# KiCad board Turkey-Corne-Kit.kicad_pcb
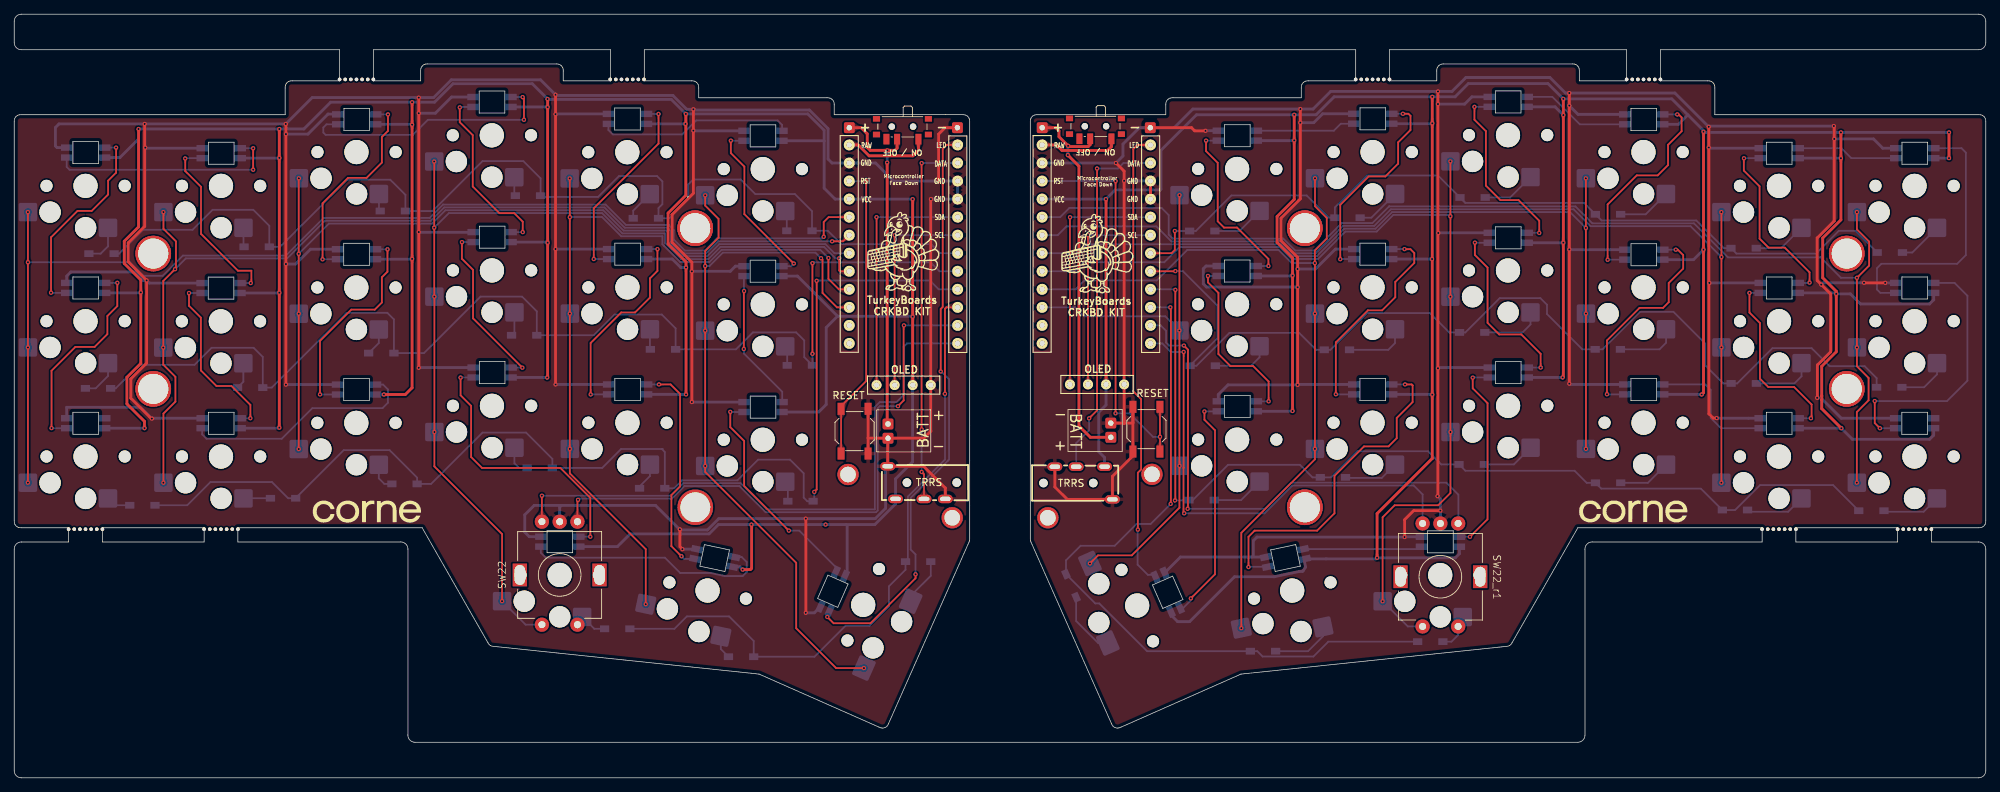
[diagram p0: board, top side]
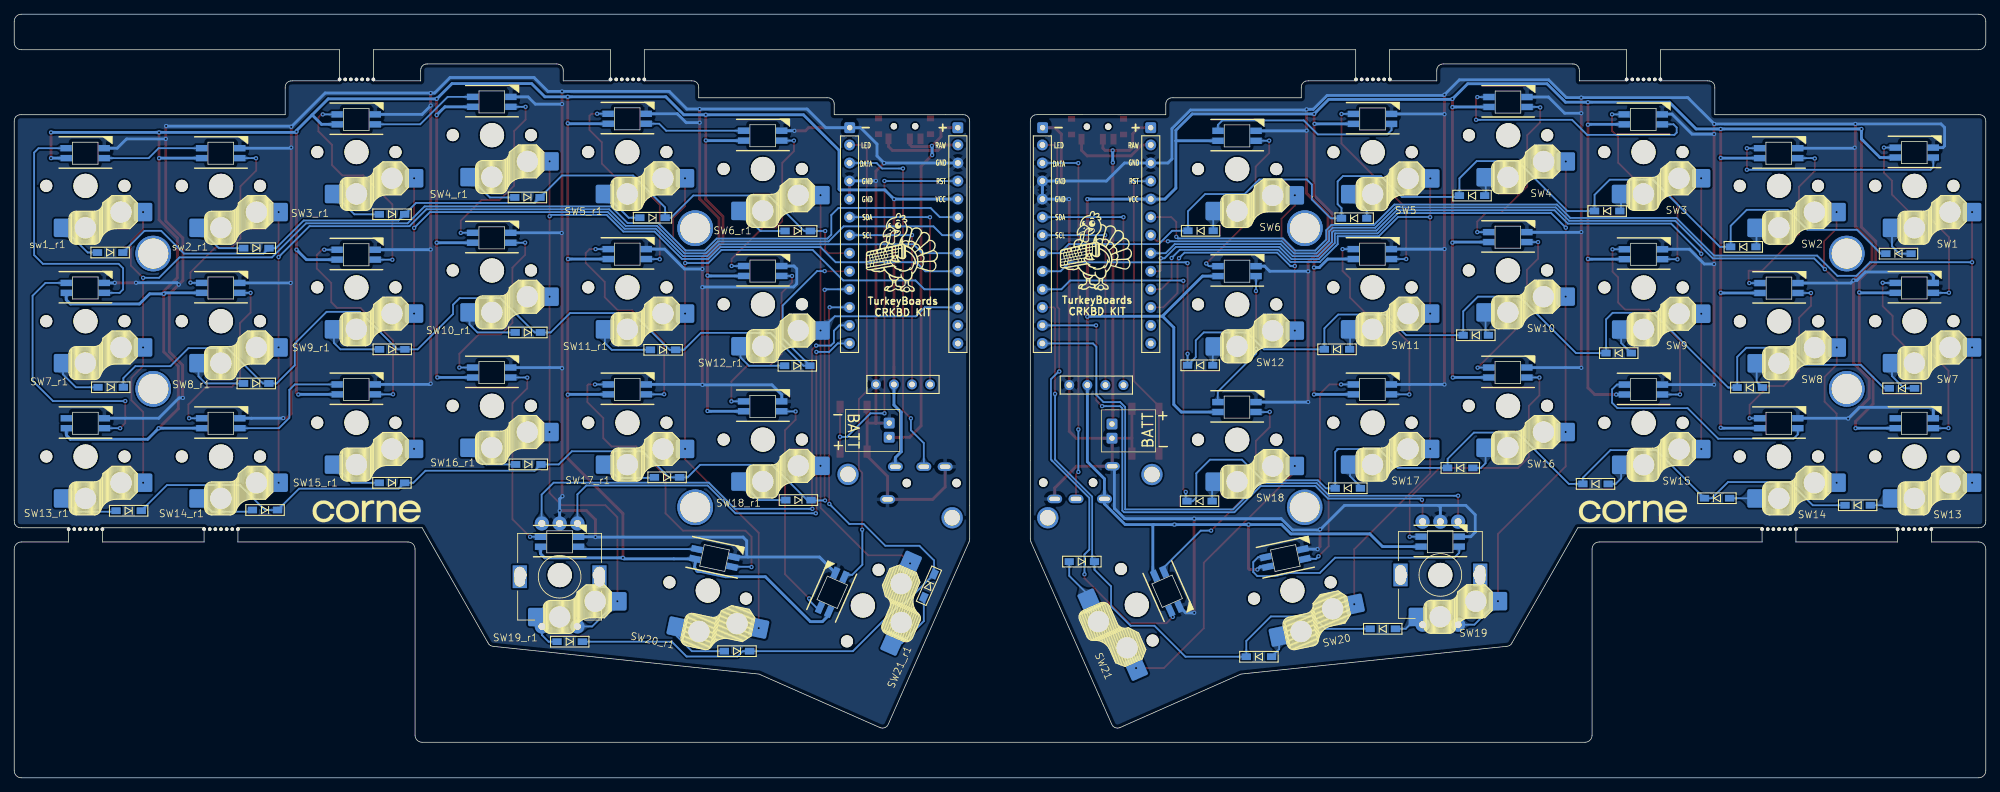
[diagram p1: board, bottom side, seen from below]

Outline 277.23 x 107.49 mm; copper layers: Top, Bottom. Coordinates in mm from the lower left corner of the outline.
Outline path: 0,92.35 0,36.2 ; 1,35.2 7.65,35.2 7.65,33.2 1,33.2 arc(0.29,32.91) 0,32.2 0,1 arc(0.29,0.29) 1,0 276.23,0 arc(276.93,0.29) 277.23,1 277.23,32.2 arc(276.93,32.91) 276.23,33.2 269.58,33.2 269.58,35.2 276.23,35.2 ; 38.1,97.11 38.1,93.35 1,93.35 ; 39.1,98.11 45.75,98.11 45.75,102.49 1,102.49 arc(0.29,102.79) 0,103.49 0,106.49 arc(0.29,107.2) 1,107.49 276.23,107.49 arc(276.93,107.2) 277.23,106.49 277.23,103.49 arc(276.93,102.79) 276.23,102.49 231.48,102.49 231.48,98.11 ; 57.15,99.49 57.15,98.11 50.5,98.11 50.5,102.49 83.85,102.49 83.85,98.11 77.2,98.11 77.2,99.49 ; 66.61,19 57.36,35.2 31.45,35.2 31.45,33.2 54.36,33.2 arc(55.07,32.91) 55.36,32.2 55.36,6 arc(55.65,5.29) 56.36,5 219.87,5 arc(220.57,5.29) 220.87,6 220.87,32.2 arc(221.16,32.91) 221.87,33.2 245.78,33.2 245.78,35.2 219.87,35.2 210.61,19 ; 67.38,18.51 104.73,14.6 121.62,7.12 ; 76.2,100.49 58.15,100.49 ; 95.25,98.11 88.6,98.11 88.6,102.49 188.63,102.49 188.63,98.11 181.98,98.11 ; 96.25,97.11 96.25,95.73 114.3,95.73 ; 115.3,94.73 115.3,93.35 121.71,93.35 130.95,93.35 133.35,93.35 ; 122.94,7.63 134.26,33.21 ; 134.35,92.35 134.35,33.61 ; 142.88,92.35 142.88,33.61 ; 143.88,93.35 161.93,93.35 161.93,94.73 ; 154.28,7.63 142.96,33.21 ; 162.93,95.73 180.98,95.73 180.98,97.11 ; 155.6,7.12 172.49,14.6 209.85,18.51 ; 193.38,98.11 193.38,102.49 226.73,102.49 226.73,98.11 220.08,98.11 220.08,99.49 ; 193.38,98.11 200.03,98.11 200.03,99.49 ; 201.03,100.49 219.08,100.49 ; 231.48,98.11 238.13,98.11 ; 239.13,97.11 239.13,93.35 276.23,93.35 ; 277.23,92.35 277.23,36.2 ; 12.4,35.2 12.4,33.2 26.7,33.2 26.7,35.2 12.4,35.2 ; 250.53,35.2 250.53,33.2 264.83,33.2 264.83,35.2 250.53,35.2
Stack: Top 0.035mm / dielectric 1.51mm FR4 er 4.5 / Bottom 0.035mm

## Placement (name value [footprint] x y rotation side)
BT1  Breakaway Tabs  [Breakaway_Tabs]  48.13 98.31 0 top
BT2  Breakaway Tabs  [Breakaway_Tabs]  86.18 98.31 0 top
BT3  Breakaway Tabs  [Breakaway_Tabs]  10.03 35 0 top
BT4  Breakaway Tabs  [Breakaway_Tabs]  29.08 35 0 top
D1  ~  [Diode]  12.33 73.78 180 top
D1_r1  ~  [Diode]  263.69 73.94 0 top
D2  ~  [Diode]  34.15 74.74 180 top
D2_r1  ~  [Diode]  243.13 74.55 0 top
D3  ~  [Diode]  53.29 79.78 180 top
D3_r1  ~  [Diode]  224.06 79.32 0 top
D4  ~  [Diode]  72.29 81.95 180 top
D4_r1  ~  [Diode]  205.02 81.69 0 top
D5  ~  [Diode]  88.87 78.76 180 top
D5_r1  ~  [Diode]  187.43 78.84 0 top
D6  ~  [Diode]  110.46 77 180 top
D6_r1  ~  [Diode]  167.01 76.97 0 top
D7  ~  [Diode]  11.84 54.82 180 top
D7_r1  ~  [Diode]  263.61 54.97 0 top
D8  ~  [Diode]  33.23 54.93 180 top
D8_r1  ~  [Diode]  243.15 55.51 0 top
D9  ~  [Diode]  51.67 59.78 180 top
D9_r1  ~  [Diode]  224.03 60.31 0 top
D10  ~  [Diode]  71.76 62.29 180 top
D10_r1  ~  [Diode]  204.96 62.69 0 top
D11  ~  [Diode]  91.28 60.31 180 top
D11_r1  ~  [Diode]  185.94 60.24 0 top
D12  ~  [Diode]  110.52 58.06 180 top
D12_r1  ~  [Diode]  167.07 58 0 top
D13  ~  [Diode]  18.07 38.36 180 top
D13_r1  ~  [Diode]  261.09 37.59 0 top
D14  ~  [Diode]  37.86 39.35 180 top
D14_r1  ~  [Diode]  241.91 37.69 0 top
D15  ~  [Diode]  54.93 41.37 180 top
D15_r1  ~  [Diode]  224.07 41.52 0 top
D16  ~  [Diode]  73.95 43.62 180 top
D16_r1  ~  [Diode]  204.89 44.11 0 top
D17  ~  [Diode]  89.76 40.75 180 top
D17_r1  ~  [Diode]  185.38 42.29 0 top
D18  ~  [Diode]  110.61 38.93 180 top
D18_r1  ~  [Diode]  166.91 39.09 0 top
D19  ~  [Diode]  84.84 20.97 180 top
D19_r1  ~  [Diode]  199.07 19.16 0 top
D20  ~  [Diode]  102.26 17.04 180 top
D20_r1  ~  [Diode]  175.55 17.82 0 top
D21  ~  [Diode]  127.06 30.43 0 top
D21_r1  ~  [Diode]  148.59 27.08 293.8 top
J1  ~  [TRRS]  128.58 41.55 0 top
J1_r1  ~  [TRRS]  148.67 41.49 180 top
J2  ~  [OLED]  125.07 55.25 0 top
J3  ~  [JST-PH_2mm]  125.35 48.8 0 top
J3_r1  ~  [OLED]  152.26 55.34 0 top
J4  ~  [JST-PH_2mm]  151.72 48.93 180 top
L1  ~  [LED SK6812-MiniE]  10.03 88.02 0 top
L1_r1  ~  [LED SK6812-MiniE]  267.22 87.94 0 top
L2  ~  [LED SK6812-MiniE]  29.09 87.94 0 top
L2_r1  ~  [LED SK6812-MiniE]  248.16 87.94 0 top
L3  ~  [LED SK6812-MiniE]  48.14 92.7 0 top
L3_r1  ~  [LED SK6812-MiniE]  229.11 92.7 0 top
L4  ~  [LED SK6812-MiniE]  67.16 95.14 0 top
L4_r1  ~  [LED SK6812-MiniE]  210.05 95.16 0 top
L5  ~  [LED SK6812-MiniE]  86.21 92.76 0 top
L5_r1  ~  [LED SK6812-MiniE]  191.01 92.78 0 top
L6  ~  [LED SK6812-MiniE]  105.26 90.38 0 top
L6_r1  ~  [LED SK6812-MiniE]  171.96 90.4 0 top
L7  ~  [LED SK6812-MiniE]  10.03 68.97 0 top
L7_r1  ~  [LED SK6812-MiniE]  267.21 68.97 0 top
L8  ~  [LED SK6812-MiniE]  29.06 68.95 0 top
L8_r1  ~  [LED SK6812-MiniE]  248.16 68.97 0 top
L9  ~  [LED SK6812-MiniE]  48.11 73.71 0 top
L9_r1  ~  [LED SK6812-MiniE]  229.12 73.65 0 top
L10  ~  [LED SK6812-MiniE]  67.18 76.12 0 top
L10_r1  ~  [LED SK6812-MiniE]  210.06 76.03 0 top
L11  ~  [LED SK6812-MiniE]  86.23 73.73 0 top
L11_r1  ~  [LED SK6812-MiniE]  191 73.73 0 top
L12  ~  [LED SK6812-MiniE]  105.26 71.33 0 top
L12_r1  ~  [LED SK6812-MiniE]  171.95 71.35 0 top
L13  ~  [LED SK6812-MiniE]  10.03 49.92 0 top
L13_r1  ~  [LED SK6812-MiniE]  267.2 49.92 0 top
L14  ~  [LED SK6812-MiniE]  29.08 49.92 0 top
L14_r1  ~  [LED SK6812-MiniE]  248.15 49.92 0 top
L15  ~  [LED SK6812-MiniE]  48.11 54.66 0 top
L15_r1  ~  [LED SK6812-MiniE]  229.11 54.68 0 top
L16  ~  [LED SK6812-MiniE]  67.18 57.06 0 top
L16_r1  ~  [LED SK6812-MiniE]  210.06 57.06 0 top
L17  ~  [LED SK6812-MiniE]  86.23 54.68 0 top
L17_r1  ~  [LED SK6812-MiniE]  191 54.68 0 top
L18  ~  [LED SK6812-MiniE]  105.27 52.2 0 top
L18_r1  ~  [LED SK6812-MiniE]  171.96 52.3 0 top
L19  ~  [LED SK6812-MiniE]  76.7 33.25 0 top
L19_r1  ~  [LED SK6812-MiniE]  200.52 33.23 0 top
L20  ~  [LED SK6812-MiniE]  98.47 30.96 348 top
L20_r1  ~  [LED SK6812-MiniE]  178.72 30.95 12 top
L21  ~  [LED SK6812-MiniE]  115.08 26.24 66.2 top
L21_r1  ~  [LED SK6812-MiniE]  162.2 26.15 293.8 top
NOREF  -  [unnamed]  181.48 38.08 0 top
NOREF#2  -  [unnamed]  257.68 73.8 0 top
NOREF#3  -  [unnamed]  95.75 77.37 0 top
NOREF#4  -  [unnamed]  257.68 54.75 0 top
NOREF#5  -  [unnamed]  181.48 77.37 0 top
NOREF#6  -  [unnamed]  19.55 54.75 0 top
NOREF#7  -  [unnamed]  19.55 73.8 0 top
pwr1  ~  [OnOff Switch SMB 7-pin]  124.97 91.65 0 top
pwr1_r1  ~  [OnOff Switch SMB 7-pin]  152.11 91.71 0 top
rBT1  Breakaway Tabs  [Breakaway_Tabs]  229.1 98.31 0 top
rBT2  Breakaway Tabs  [Breakaway_Tabs]  191 98.31 0 top
rBT3  Breakaway Tabs  [Breakaway_Tabs]  267.2 35 0 top
rBT4  Breakaway Tabs  [Breakaway_Tabs]  248.15 35 0 top
REF**  -  [Mount-Through-Hole]  181.48 77.37 0 top
REF**#2  -  [Logo-TurkeyBoards]  124.98 73.99 0 top
REF**#3  -  [Mount-Through-Hole]  257.68 54.75 0 top
REF**#4  -  [M2-Mount-Hole]  117.25 42.69 0 top
REF**#5  -  [M2-Mount-Hole]  131.9 36.6 0 top
REF**#6  -  [Mount-Through-Hole]  19.55 54.75 0 top
REF**#7  -  [Mount-Through-Hole]  95.75 77.37 0 top
REF**#8  -  [Mount-Through-Hole]  257.68 73.8 0 top
REF**#9  -  [Logo-Corne Name]  49.21 37.45 0 top
REF**#10  -  [Mount-Through-Hole]  19.55 73.8 0 top
REF**#11  -  [Mount-Through-Hole]  95.77 38.08 0 top
REF**#12  -  [Mount-Through-Hole]  181.48 38.08 0 top
REF**#13  -  [Logo-TurkeyBoards]  152.26 73.71 0 top
REF**#14  -  [Logo-Corne Name]  227.28 37.47 0 top
REF**#15  -  [M2-Mount-Hole]  159.99 42.71 0 top
REF**#16  -  [M2-Mount-Hole]  145.35 36.6 0 top
RS1  ~  [Tactile Push Button Micro Reset Switch 4_4_1.5mm]  118.18 48.79 90 top
RS1_r1  ~  [Tactile Push Button Micro Reset Switch 4_4_1.5mm]  159.2 49.07 270 top
SW1  ~  [Kailh-Choc-1u-MxSpacing]  10.05 83.34 0 top
sw1_r1  ~  [Kailh-Choc-1u-MxSpacing]  267.23 83.34 0 top
SW2  ~  [Kailh-Choc-1u-MxSpacing]  29.1 83.34 0 top
sw2_r1  ~  [Kailh-Choc-1u-MxSpacing]  248.17 83.34 0 top
SW3  ~  [Kailh-Choc-1u-MxSpacing]  48.15 88.1 0 top
SW3_r1  ~  [Kailh-Choc-1u-MxSpacing]  229.12 88.1 0 top
SW4  ~  [Kailh-Choc-1u-MxSpacing]  67.18 90.46 0 top
SW4_r1  ~  [Kailh-Choc-1u-MxSpacing]  210.07 90.48 0 top
SW5  ~  [Kailh-Choc-1u-MxSpacing]  86.23 88.08 0 top
SW5_r1  ~  [Kailh-Choc-1u-MxSpacing]  191.03 88.1 0 top
SW6  ~  [Kailh-Choc-1u-MxSpacing]  105.28 85.7 0 top
SW6_r1  ~  [Kailh-Choc-1u-MxSpacing]  171.98 85.72 0 top
SW7  ~  [Kailh-Choc-1u-MxSpacing]  10.05 64.29 0 top
SW7_r1  ~  [Kailh-Choc-1u-MxSpacing]  267.23 64.29 0 top
SW8  ~  [Kailh-Choc-1u-MxSpacing]  29.08 64.27 0 top
SW8_r1  ~  [Kailh-Choc-1u-MxSpacing]  248.18 64.29 0 top
SW9  ~  [Kailh-Choc-1u-MxSpacing]  48.13 69.03 0 top
SW9_r1  ~  [Kailh-Choc-1u-MxSpacing]  229.13 69.05 0 top
SW10  ~  [Kailh-Choc-1u-MxSpacing]  67.2 71.44 0 top
SW10_r1  ~  [Kailh-Choc-1u-MxSpacing]  210.07 71.43 0 top
SW11  ~  [Kailh-Choc-1u-MxSpacing]  86.25 69.05 0 top
SW11_r1  ~  [Kailh-Choc-1u-MxSpacing]  191.02 69.05 0 top
SW12  ~  [Kailh-Choc-1u-MxSpacing]  105.28 66.65 0 top
SW12_r1  ~  [Kailh-Choc-1u-MxSpacing]  171.97 66.67 0 top
SW13  ~  [Kailh-Choc-1u-MxSpacing]  10.05 45.24 0 top
SW13_r1  ~  [Kailh-Choc-1u-MxSpacing]  267.22 45.24 0 top
SW14  ~  [Kailh-Choc-1u-MxSpacing]  29.1 45.24 0 top
SW14_r1  ~  [Kailh-Choc-1u-MxSpacing]  248.17 45.24 0 top
SW15  ~  [Kailh-Choc-1u-MxSpacing]  48.13 49.98 0 top
SW15_r1  ~  [Kailh-Choc-1u-MxSpacing]  229.13 50 0 top
SW16  ~  [Kailh-Choc-1u-MxSpacing]  67.2 52.38 0 top
SW16_r1  ~  [Kailh-Choc-1u-MxSpacing]  210.08 52.38 0 top
SW17  ~  [Kailh-Choc-1u-MxSpacing]  86.25 50 0 top
SW17_r1  ~  [Kailh-Choc-1u-MxSpacing]  191.02 50 0 top
SW18  ~  [Kailh-Choc-1u-MxSpacing]  105.28 47.6 0 top
SW18_r1  ~  [Kailh-Choc-1u-MxSpacing]  171.98 47.62 0 top
SW19  ~  [Kailh-Choc-1u-MxSpacing]  76.72 28.57 0 top
SW19_r1  ~  [Kailh-Choc-1u-MxSpacing]  200.54 28.55 0 top
SW20  ~  [Kailh-Choc-1u-MxSpacing]  97.52 26.37 348 top
SW20_r1  ~  [Kailh-Choc-1u-MxSpacing]  179.72 26.38 12 top
SW21  ~  [Kailh-Choc-1u-ChocSpacing]  119.37 24.29 66.2 top
SW21_r1  ~  [Kailh-Choc-1u-ChocSpacing]  157.87 24.29 293.8 top
SW22  ~  [Rotary_Encoder_Switch]  76.7 28.55 270 top
SW22_r1  ~  [Rotary_Encoder_Switch]  200.54 28.3 270 top
U1  ~  [ProMicro-Wireless-Flipped]  125.1 76.28 0 top
U2  ~  [ProMicro-Wireless-Flipped]  152.22 76.28 0 top

## Library data of the parts
BT1-BT4 rBT1-rBT4 = -: Description: Mounting Hole without connection
RS1 RS1_r1 = -: LCSC Part Number: C2886894

## Footprints (pads in the part's own frame, mm; a bottom-side part is the same pattern mirrored in y, then rotated)
Breakaway_Tabs
  round 0.5 hole 0.5 unplated: (-2.375,0) (-1.583,0) (-0.792,0) (0,0) (0.792,0) (1.583,0) (2.375,0)
Diode
  rect 1.3x0.95 smd far side: 1(-1.725,0) 2(1.825,0)
JST-PH_2mm
  rrect 1.524x1.524 hole 0.762: 1(-2.48,1) 2(-2.48,-1)
Kailh-Choc-1u-ChocSpacing
  round 1.7 hole 1.7 unplated: (-5.435,0.015) (5.565,0.015)
  round 3 hole 3 unplated: (-4.935,-3.685) (0.065,-5.885)
  round 3.4 hole 3.4 unplated: (0.05,0.01)
  rrect 3x2.5 smd far side: 1(-8.05,-3.678) 2(3.212,-5.893)
Kailh-Choc-1u-MxSpacing
  round 1.7 hole 1.7 unplated: (-5.505,-0.015) (5.495,-0.015)
  round 3 hole 3 unplated: (-5.005,-3.715) (-0.005,-5.915)
  round 3.4 hole 3.4 unplated: (-0.02,-0.02)
  rrect 2.6x2.6 smd far side: 1(-8.12,-3.708) 2(3.143,-5.923)
LED SK6812-MiniE
  rect 1.6x0.9 smd far side: 1(2.7,-0.71) 2(2.71,0.69) 3(-2.65,0.69) 4(-2.65,-0.71)
M2-Mount-Hole
  round 3 hole 2.2: (0,0)
Mount-Through-Hole
  round 5 hole 4.2: (0,0)
OLED
  round 1.397 hole 0.813: 1(-3.81,0.03) 2(-1.27,0.03) 3(1.27,0.03) 4(3.81,0.03)
OnOff Switch SMB 7-pin
  rect 1x0.8 smd: (-3.72,1.11) (-3.72,-1.1) (3.58,1.11) (3.58,-1.1)
  round 0.9 hole 0.9 unplated: (-1.57,0.01) (1.43,0.01)
  rect 0.85x1.5 smd: 1(2.18,-1.75) 2(-0.82,-1.75) 3(-2.32,-1.75)
ProMicro-Wireless-Flipped
  rrect 1.524x1.524 hole 0.762: 0(7.53,15.24) 25(-7.67,15.24)
  round 1.524 hole 0.813: 1(7.56,12.81) 2(7.56,10.27) 3(7.56,7.73) 4(7.56,5.19) 5(7.56,2.65) 6(7.56,0.11) 7(7.56,-2.43) 8(7.56,-4.97) 9(7.56,-7.51) 10(7.56,-10.05) 11(7.56,-12.59) 12(7.56,-15.13) 13(-7.68,-15.13) 14(-7.68,-12.59) 15(-7.68,-10.05) 16(-7.68,-7.51) 17(-7.68,-4.97) 18(-7.68,-2.43) 19(-7.68,0.11) 20(-7.68,2.65) 21(-7.68,5.19) 22(-7.68,7.73) 23(-7.68,10.27) 24(-7.68,12.81)
Rotary_Encoder_Switch
  round 2 hole 1: A(-7.5,2.5) B(-7.5,-2.5) C(-7.5,0) S1(7,-2.5) S2(7,2.5)
  rect 3.2x2 hole 2.8x1.5: MP(0,5.6) MP(0,-5.6)
Tactile Push Button Micro Reset Switch 4_4_1.5mm
  rect 1.7x1 smd: 1(-3.15,1.91) 1(3.15,1.91) 2(-3.15,-1.89) 2(3.15,-1.89)
TRRS
  round 1.2 hole 1.2 unplated: (-3.059,0) (3.941,0)
  oval 2.1x1.2 hole 1.5x0.6: 1D(-4.659,-2.3) 2C(-0.659,-2.3) 3B(2.341,-2.3) 4A(-5.759,2.3)
unnamed
  round 5 hole 4.2: (0,0)

## Nets
GND: J1.3B J1.4A J2.4 J3.2 L1.3 L2.3 L3.3 L4.3 L5.3 L6.3 L7.3 L8.3 L9.3 L10.3 L11.3 L12.3 L13.3 L14.3 L15.3 L16.3 L17.3 L18.3 L19.3 L20.3 L21.3 RS1.2 SW22.C U1.0 U1.3 U1.4 U1.23
GND_r: J1_r1.3B J1_r1.4A J3_r1.4 J4.2 L1_r1.3 L2_r1.3 L3_r1.3 L4_r1.3 L5_r1.3 L6_r1.3 L7_r1.3 L8_r1.3 L9_r1.3 L10_r1.3 L11_r1.3 L12_r1.3 L13_r1.3 L14_r1.3 L15_r1.3 L16_r1.3 L17_r1.3 L18_r1.3 L19_r1.3 L20_r1.3 L21_r1.3 RS1_r1.2 SW22_r1.C U2.0 U2.3 U2.4 U2.23
VCC: J1.1D J2.3 L1.1 L2.1 L3.1 L4.1 L5.1 L6.1 L7.1 L8.1 L9.1 L10.1 L11.1 L12.1 L13.1 L14.1 L15.1 L16.1 L17.1 L18.1 L19.1 L20.1 L21.1 U1.21
VCC_r: J1_r1.1D J3_r1.3 L1_r1.1 L2_r1.1 L3_r1.1 L4_r1.1 L5_r1.1 L6_r1.1 L7_r1.1 L8_r1.1 L9_r1.1 L10_r1.1 L11_r1.1 L12_r1.1 L13_r1.1 L14_r1.1 L15_r1.1 L16_r1.1 L17_r1.1 L18_r1.1 L19_r1.1 L20_r1.1 L21_r1.1 U2.21
col0: SW1.1 SW7.1 SW13.1 U1.20
col0_r: sw1_r1.1 SW7_r1.1 SW13_r1.1 U2.20
col1: SW2.1 SW8.1 SW14.1 U1.19
col1_r: sw2_r1.1 SW8_r1.1 SW14_r1.1 U2.19
col2: SW3.1 SW9.1 SW15.1 U1.18
col2_r: SW3_r1.1 SW9_r1.1 SW15_r1.1 U2.18
col3: SW4.1 SW10.1 SW16.1 SW19.1 SW22.S1 U1.17
col3_r: SW4_r1.1 SW10_r1.1 SW16_r1.1 SW19_r1.1 SW22_r1.S1 U2.17
col4: SW5.1 SW11.1 SW17.1 SW20.1 U1.16
col4_r: SW5_r1.1 SW11_r1.1 SW17_r1.1 SW20_r1.1 U2.16
col5: SW6.1 SW12.1 SW18.1 SW21.1 U1.15
col5_r: SW6_r1.1 SW12_r1.1 SW18_r1.1 SW21_r1.1 U2.15
Data: J1.2C U1.2
Data_r: J1_r1.2C U2.2
EDA: SW22.A U1.11
EDA_r: SW22_r1.A U2.11
EDB: SW22.B U1.12
EDB_r: SW22_r1.B U2.12
LED: L21.4 U1.1
LED_r: L21_r1.4 U2.1
PWR: pwr1.1 U1.24
PWR_r: pwr1_r1.1 U2.24
RESET: RS1.1 U1.22
RESET_r: RS1_r1.1 U2.22
row0: D1.1 D2.1 D3.1 D4.1 D5.1 D6.1 U1.7
row0_r: D1_r1.1 D2_r1.1 D3_r1.1 D4_r1.1 D5_r1.1 D6_r1.1 U2.7
row1: D7.1 D8.1 D9.1 D10.1 D11.1 D12.1 U1.8
row1_r: D7_r1.1 D8_r1.1 D9_r1.1 D10_r1.1 D11_r1.1 D12_r1.1 U2.8
row2: D13.1 D14.1 D15.1 D16.1 D17.1 D18.1 U1.9
row2_r: D13_r1.1 D14_r1.1 D15_r1.1 D16_r1.1 D17_r1.1 D18_r1.1 U2.9
row3: D19.1 D20.1 D21.1 U1.10
row3_r: D19_r1.1 D20_r1.1 D21_r1.1 U2.10
SCL: J2.2 U1.6
SCL_r: J3_r1.2 U2.6
SDA: J2.1 U1.5
SDA_r: J3_r1.1 U2.5
Net-(D1-Pad2): D1.2 SW1.2
Net-(D1_r1-Pad2): D1_r1.2 sw1_r1.2
Net-(D2-Pad2): D2.2 SW2.2
Net-(D2_r1-Pad2): D2_r1.2 sw2_r1.2
Net-(D3-Pad2): D3.2 SW3.2
Net-(D3_r1-Pad2): D3_r1.2 SW3_r1.2
Net-(D4-Pad2): D4.2 SW4.2
Net-(D4_r1-Pad2): D4_r1.2 SW4_r1.2
Net-(D5-Pad2): D5.2 SW5.2
Net-(D5_r1-Pad2): D5_r1.2 SW5_r1.2
Net-(D6-Pad2): D6.2 SW6.2
Net-(D6_r1-Pad2): D6_r1.2 SW6_r1.2
Net-(D7-Pad2): D7.2 SW7.2
Net-(D7_r1-Pad2): D7_r1.2 SW7_r1.2
Net-(D8-Pad2): D8.2 SW8.2
Net-(D8_r1-Pad2): D8_r1.2 SW8_r1.2
Net-(D9-Pad2): D9.2 SW9.2
Net-(D9_r1-Pad2): D9_r1.2 SW9_r1.2
Net-(D10-Pad2): D10.2 SW10.2
Net-(D10_r1-Pad2): D10_r1.2 SW10_r1.2
Net-(D11-Pad2): D11.2 SW11.2
Net-(D11_r1-Pad2): D11_r1.2 SW11_r1.2
Net-(D12-Pad2): D12.2 SW12.2
Net-(D12_r1-Pad2): D12_r1.2 SW12_r1.2
Net-(D13-Pad2): D13.2 SW13.2
Net-(D13_r1-Pad2): D13_r1.2 SW13_r1.2
Net-(D14-Pad2): D14.2 SW14.2
Net-(D14_r1-Pad2): D14_r1.2 SW14_r1.2
Net-(D15-Pad2): D15.2 SW15.2
Net-(D15_r1-Pad2): D15_r1.2 SW15_r1.2
Net-(D16-Pad2): D16.2 SW16.2
Net-(D16_r1-Pad2): D16_r1.2 SW16_r1.2
Net-(D17-Pad2): D17.2 SW17.2
Net-(D17_r1-Pad2): D17_r1.2 SW17_r1.2
Net-(D18-Pad2): D18.2 SW18.2
Net-(D18_r1-Pad2): D18_r1.2 SW18_r1.2
Net-(D19-Pad2): D19.2 SW19.2 SW22.S2
Net-(D19_r1-Pad2): D19_r1.2 SW19_r1.2 SW22_r1.S2
Net-(D20-Pad2): D20.2 SW20.2
Net-(D20_r1-Pad2): D20_r1.2 SW20_r1.2
Net-(D21-Pad2): D21.2 SW21.2
Net-(D21_r1-Pad2): D21_r1.2 SW21_r1.2
Net-(J3-B+): J3.1 pwr1.2 U1.25
Net-(J4-B+): J4.1 pwr1_r1.2 U2.25
Net-(L1-DIN): L1.4 L2.2
Net-(L1-DOUT): L1.2 L7.4
Net-(L1_r1-DIN): L1_r1.4 L2_r1.2
Net-(L1_r1-DOUT): L1_r1.2 L7_r1.4
Net-(L2-DIN): L2.4 L8.2
Net-(L2_r1-DIN): L2_r1.4 L8_r1.2
Net-(L3-DIN): L3.4 L4.2
Net-(L3-DOUT): L3.2 L9.4
Net-(L3_r1-DIN): L3_r1.4 L4_r1.2
Net-(L3_r1-DOUT): L3_r1.2 L9_r1.4
Net-(L5-DIN): L5.4 L6.2
Net-(L5_r1-DIN): L5_r1.4 L6_r1.2
Net-(L10-DIN): L10.4 L16.2
Net-(L10-DOUT): L4.4 L10.2
Net-(L10_r1-DIN): L10_r1.4 L16_r1.2
Net-(L10_r1-DOUT): L4_r1.4 L10_r1.2
Net-(L11-DIN): L5.2 L11.4
Net-(L11-DOUT): L11.2 L17.4
Net-(L11_r1-DIN): L5_r1.2 L11_r1.4
Net-(L11_r1-DOUT): L11_r1.2 L17_r1.4
Net-(L12-DIN): L12.4 L18.2
Net-(L12-DOUT): L6.4 L12.2
Net-(L12_r1-DIN): L12_r1.4 L18_r1.2
Net-(L12_r1-DOUT): L6_r1.4 L12_r1.2
Net-(L13-DIN): L7.2 L13.4
Net-(L13_r1-DIN): L7_r1.2 L13_r1.4
Net-(L14-DIN): L14.4 L15.2
Net-(L14-DOUT): L8.4 L14.2
Net-(L14_r1-DIN): L14_r1.4 L15_r1.2
Net-(L14_r1-DOUT): L8_r1.4 L14_r1.2
Net-(L15-DIN): L9.2 L15.4
Net-(L15_r1-DIN): L9_r1.2 L15_r1.4
Net-(L16-DIN): L16.4 L19.2
Net-(L16_r1-DIN): L16_r1.4 L19_r1.2
Net-(L17-DOUT): L17.2 L20.4
Net-(L17_r1-DOUT): L17_r1.2 L20_r1.4
Net-(L18-DIN): L18.4 L21.2
Net-(L18_r1-DIN): L18_r1.4 L21_r1.2
Net-(L19-DIN): L19.4 L20.2
Net-(L19_r1-DIN): L19_r1.4 L20_r1.2

Pads without a net: L13 2; L13_r1 2; pwr1 3; pwr1_r1 3; SW22 MP; SW22_r1 MP; U1 13 14; U2 13 14

## Via types
v1: diameter 0.6, hole 0.3, Top to Bottom, 262 vias

## Routing (per net, layer and track width the routed paths; a pad name or vN(x,y) marks a point on that pad's centre or on a via; arc(x,y) is an arc through that point)
GND: length 658.1
  Top w0.4: v1(76.12,55.36) v1(76.12,74.43) v1(76.12,93.41) v1(76.12,96.15) ; v1(129.99,84.01) 129.99,90.61 130.89,91.52 U1.0 ; v1(128.91,81.46) 128.88,81.43 J2.4 128.88,48.78 127.9,47.8 J3.2 ; J3.2 122.82,47.76 J1.4A 127.87,43.85 130.93,40.79 J1.3B ; J3.2 120.08,47.8 120.07,47.81 ; RS1.2 RS1.2 ; v1(38.19,92.04) 38.21,92.02 v1(38.21,90.61) v1(38.21,72.32) v1(38.21,55.34) ; v1(95.29,52.89) v1(95.29,71.29) 95.29,72.57 92.5,75.36 92.5,79.27 95.5,82.28 v1(95.5,91.1) v1(95.5,94.1) ; v1(56.89,95.75) v1(56.89,93.55) v1(56.89,76.82) v1(56.89,57.71) 56.86,57.68 ; v1(93.96,32.18) 93.62,32.52 93.62,34.97 v1(93.6,34.98) ; 19.5,50.56 v1(19.36,50.56) 19.27,50.56 16.4,53.43 16.4,56.15 18.62,58.37 v1(18.62,70.01) 18.62,70.04 16.03,72.63 16.03,75.3 18.35,77.62 18.35,88.62 v1(18.43,88.71) 18.35,88.79 v1(18.35,92.04) ; v1(111.31,23.22) v1(111.31,36.48)
  Bottom w0.4: 102.61,72.02 101.41,72.02 100.69,71.3 95.3,71.3 v1(95.29,71.29) ; v1(38.21,55.34) 38.22,55.35 L15.3 ; v1(38.21,72.32) 39.58,72.32 41.66,74.4 L9.3 ; L20.3 93.96,32.18 v1(93.96,32.18) ; 76.95,38.34 76.7,38.09 SW22.C ; 76.95,38.34 73.12,38.34 71.79,37.01 71.79,34.62 71.77,34.6 72.43,33.94 L19.3 ; 76.95,38.34 90.18,38.34 93.54,34.98 v1(93.6,34.98) 93.7,34.88 97.48,34.88 99.08,36.48 v1(111.31,36.48) 121.08,36.48 122.53,37.93 122.53,43.55 J1.4A ; L17.3 76.13,55.37 v1(76.12,55.36) ; 7.38,69.66 7.38,70.62 7.96,71.2 16.94,71.2 18.13,70.01 v1(18.62,70.01) 18.99,69.64 26.41,69.64 ; L3.3 45.44,93.43 44.13,93.43 41.31,90.61 v1(38.21,90.61) ; L5.3 76.16,93.45 v1(76.12,93.41) ; 102.61,91.07 95.53,91.07 v1(95.5,91.1) ; v1(18.43,88.71) 18.51,88.63 L2.3 ; v1(56.89,93.55) 59.22,93.55 61.5,95.83 L4.3 ; L21.3 112.5,23.22 v1(111.31,23.22) ; L10.3 64.5,76.78 56.93,76.78 v1(56.89,76.82) ; 132.66,82.78 U1.3 ; U1.3 v1(129.99,84.01) 123.65,84.01 121.11,86.55 U1.23 114.99,86.55 114.44,87.1 114.44,91.38 111.81,94 95.6,94 v1(95.5,94.1) 94.57,94.1 92.62,96.05 76.22,96.05 v1(76.12,96.15) 74.02,98.25 61.47,98.25 58.97,95.75 v1(56.89,95.75) 41.9,95.75 v1(38.19,92.04) v1(18.35,92.04) 6.3,92.04 5.8,91.54 5.8,88.94 6.03,88.71 L1.3 ; U1.3 U1.4 128.91,81.47 v1(128.91,81.46) ; v1(76.12,74.43) 76.13,74.42 L11.3 ; L16.3 56.93,57.75 v1(56.89,57.71) ; L13.3 7.38,52.15 17.77,52.15 v1(19.36,50.56) 19.41,50.61 26.43,50.61 ; L18.3 95.29,52.89 v1(95.29,52.89)
GND_r: length 634.2
  Top w0.4: v1(180.85,94.14) v1(180.85,92.22) 180.85,81.5 178.13,78.78 178.13,75.59 180.47,73.25 v1(180.47,71.62) v1(180.47,69.05) v1(180.47,55.31) ; v1(255.87,91.75) 255.92,91.7 v1(255.92,89.93) 255.92,78.38 253.52,75.98 253.52,70 v1(254.09,69.43) 255.42,68.1 255.42,59.96 253.55,58.09 253.55,53.51 v1(253.52,53.48) ; 156.05,50.81 156.05,49.89 156.07,49.87 J3_r1.4 v1(156.07,84.03) 156.07,85.39 v1(154.92,86.54) ; J4.2 157.31,49.93 RS1_r1.2 157.31,45.31 154.42,42.43 J1_r1.4A 148.07,39.19 146.32,40.95 J1_r1.3B ; v1(195.51,33.88) 195.51,36.33 196.79,37.61 v1(200.54,37.61) ; U2.0 165.54,91.52 165.99,91.07 v1(167.52,91.07) ; v1(218.67,96.39) v1(218.67,94.63) v1(218.67,74.37) v1(218.67,55.48) ; U2.4 U2.3 ; v1(239.4,50.63) 238.9,50.63 238.29,51.24 238.29,69.59 v1(238.36,69.66) 238.28,69.74 v1(238.28,88.72) v1(238.28,91.63) ; v1(263.09,69.67) 260.12,69.67 v1(260.11,69.68) ; v1(200.14,39.64) 200.2,39.7 v1(200.2,57.65) v1(200.2,94.84) v1(200.2,96.62)
  Bottom w0.4: L12_r1.3 167.59,72.04 167.2,71.66 167.2,69.53 167.65,69.08 180.44,69.08 v1(180.47,69.05) ; 264.56,69.66 263.1,69.66 v1(263.09,69.67) ; v1(180.47,71.62) 182.97,71.62 185.77,74.42 L11_r1.3 ; v1(218.67,55.48) 218.78,55.37 226.46,55.37 ; L13_r1.3 256.91,50.61 254.04,53.48 v1(253.52,53.48) ; v1(255.87,91.75) 255.85,91.73 238.38,91.73 v1(238.28,91.63) 233.52,96.39 v1(218.67,96.39) 218.13,96.39 215.94,98.58 204.14,98.58 202.18,96.62 v1(200.2,96.62) 185.12,96.62 182.64,94.14 v1(180.85,94.14) 165.74,94.14 163.11,91.52 U2.0 158.21,91.52 155.91,89.21 155.91,87.53 v1(154.92,86.54) 154.91,86.55 U2.23 ; v1(156.07,84.03) 159.75,84.03 U2.3 ; v1(200.14,39.64) 200.54,39.24 v1(200.54,37.61) SW22_r1.C ; v1(200.2,94.84) 200.21,94.83 203.95,94.83 204.97,95.85 207.4,95.85 ; 218.74,94.54 219.89,93.39 226.46,93.39 ; L21_r1.3 163.99,31.08 L20_r1.3 ; v1(238.28,88.72) 238.37,88.63 L2_r1.3 ; 200.24,76.68 v1(200.25,76.69) 200.27,76.72 L10_r1.3 ; v1(260.11,69.68) 254.35,69.68 v1(254.09,69.43) ; v1(255.92,89.93) 261.44,89.93 262.74,88.63 L1_r1.3 ; L5_r1.3 183.98,93.47 182.73,92.22 v1(180.85,92.22) ; 174.24,31.13 174.24,33.37 174.75,33.88 v1(195.51,33.88) ; 218.71,74.34 218.71,74.34 L9_r1.3 ; L14_r1.3 239.42,50.61 v1(239.4,50.63) ; L16_r1.3 200.2,57.75 200.18,57.73 ; L17_r1.3 180.53,55.37 v1(180.47,55.31) 170.67,55.31 169.31,53.95 L18_r1.3 ; L6_r1.3 167.54,91.09 v1(167.52,91.07) ; v1(238.36,69.66) 245.51,69.66 ; L19_r1.3 195.53,33.92